# Altium PCB ControlBoard.PcbDoc (part 1 of 3) (continued)
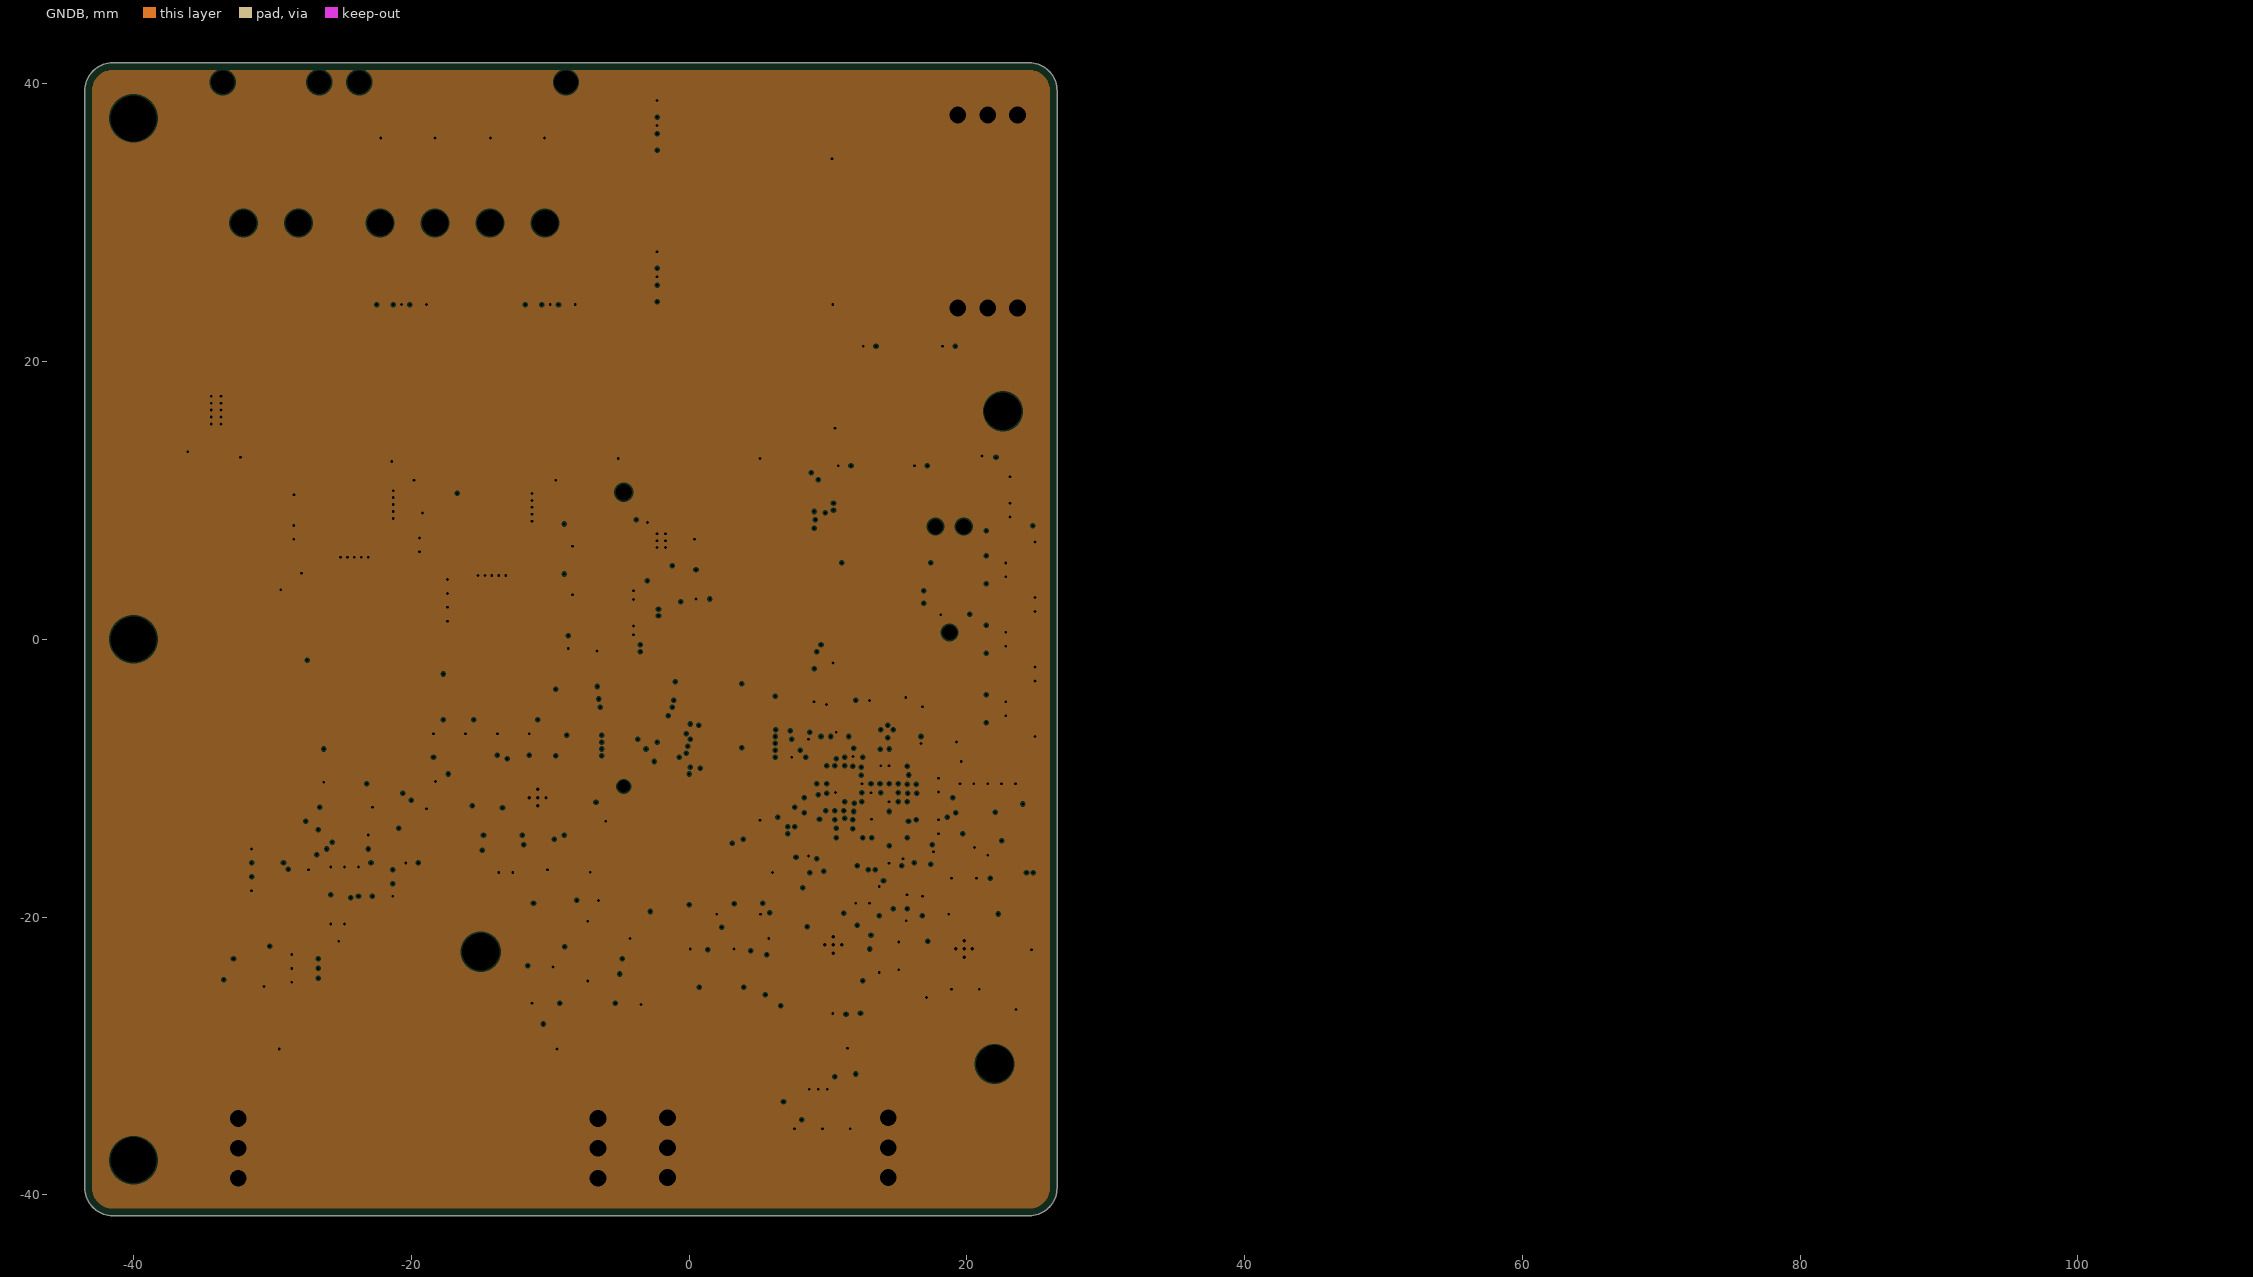
[diagram p5: GNDB, clearances drawn from the general rule]
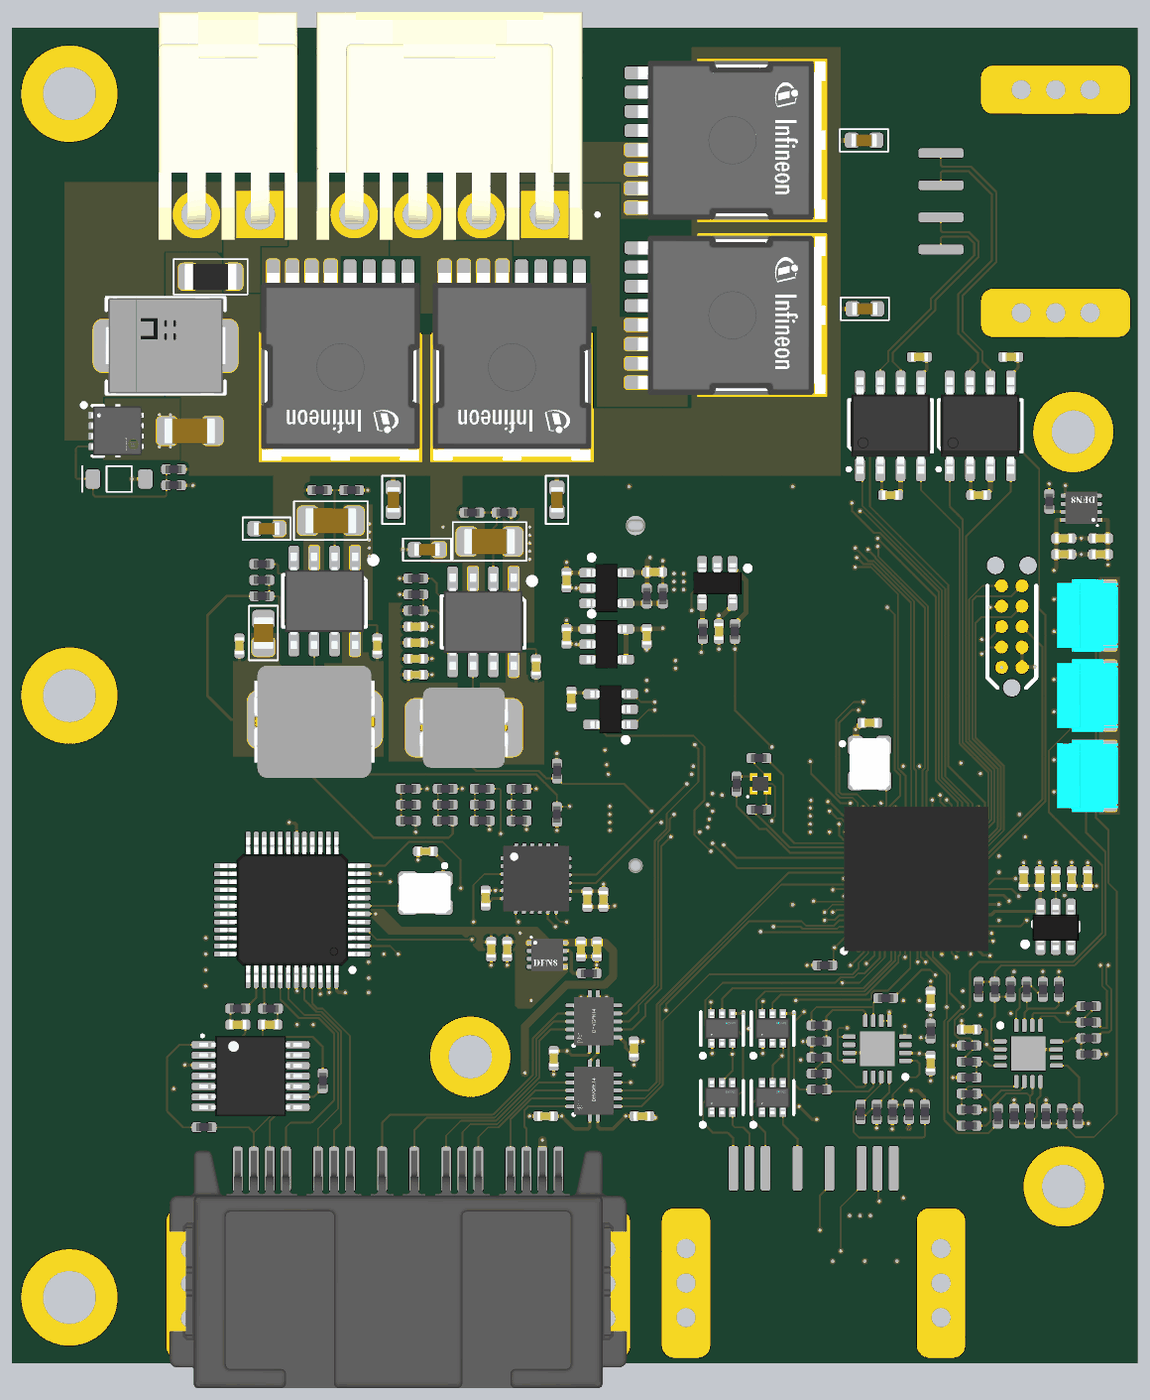
[diagram p8: 3D render of the assembled board from above, using the file's embedded part models]
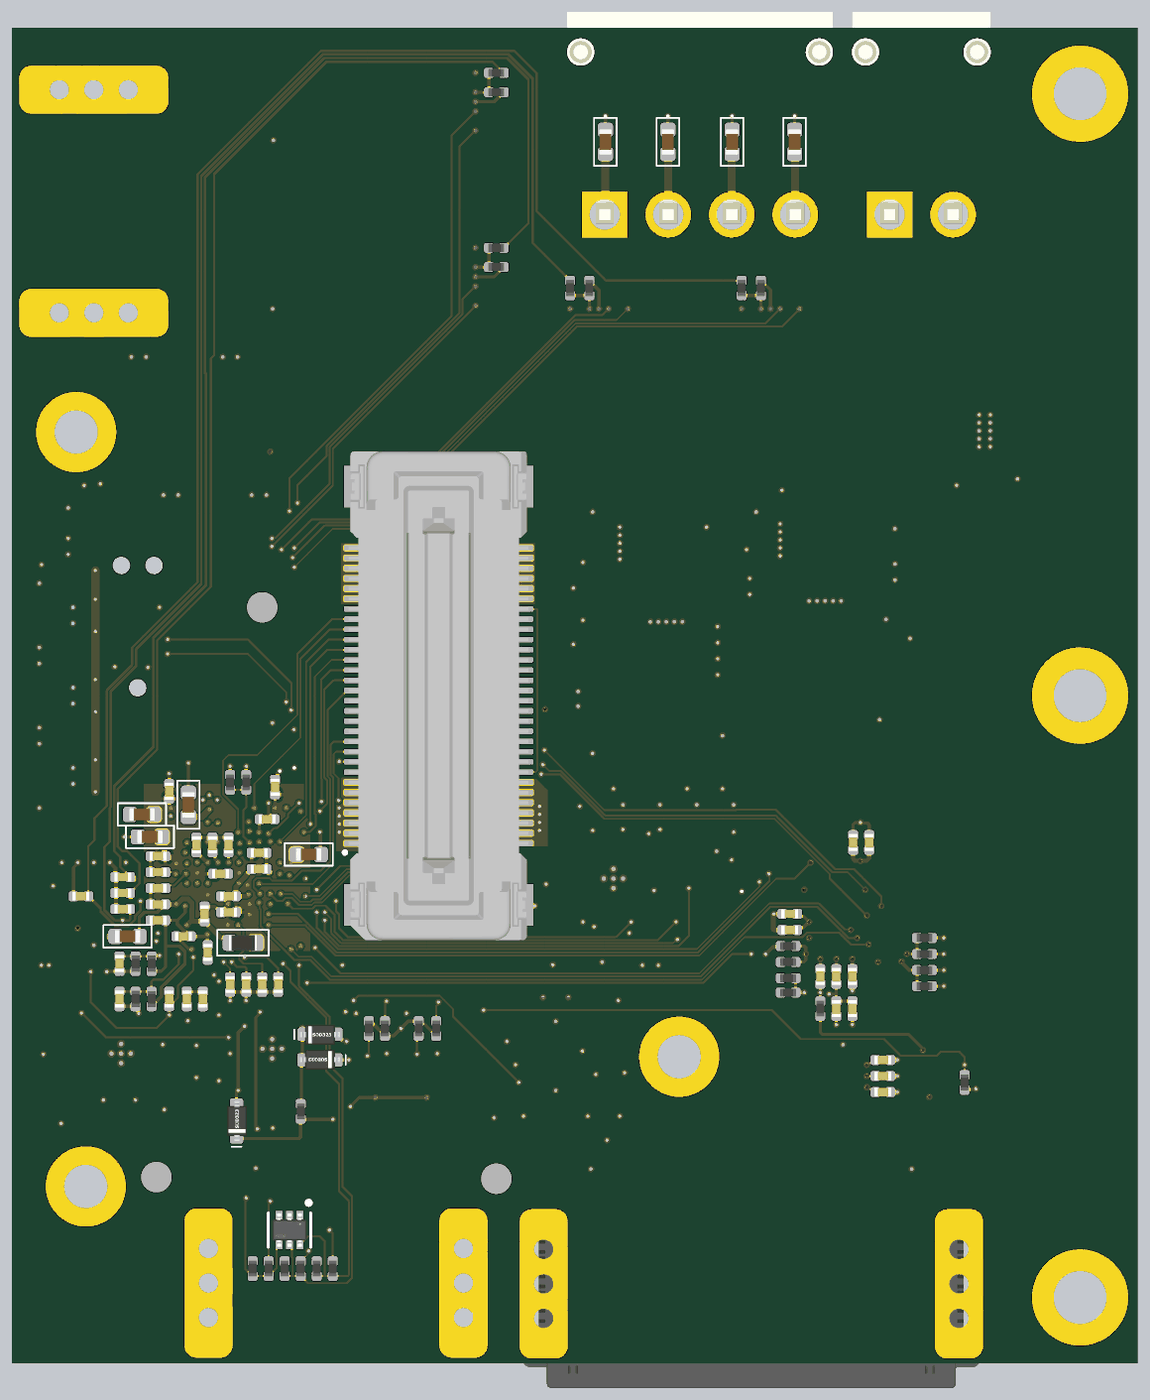
[diagram p9: 3D render of the assembled board from below, using the file's embedded part models]

## Layer stack, top to bottom
Top Solder: solder mask 0.0102, Solder Resist, Dk 3.5
Top: signal copper 0.035
Dielectric 2: prepreg 0.203, PP-006, Dk 4.1
GNDT: plane copper 0.035, net GND
Dielectric 4: core 0.25, PP-006, Dk 4.1
VDD: signal copper 0.035
Dielectric 6: prepreg 0.203, PP-006, Dk 4.1
Dielectric 1: dielectric 0.107, FR-4, Dk 4.8
Dielectric 7: prepreg 0.203, PP-006, Dk 4.1
Inn: signal copper 0.035
Dielectric 5: core 0.25, PP-006, Dk 4.1
GNDB: plane copper 0.035, net GND
Dielectric 3: prepreg 0.203, PP-006, Dk 4.1
Bot: signal copper 0.035
Bottom Solder: solder mask 0.0102, Solder Resist, Dk 3.5

## Board outline
-41.5,-41.5 cw(c-41.5,-39.5) -43.5,-39.5 -43.5,39.5 cw(c-41.5,39.5) -41.5,41.5 24.5,41.5 cw(c24.5,39.5) 26.5,39.5 26.5,-39.5 cw(c24.5,-39.5) 24.5,-41.5

## Design rules (kind name [scope] priority, off if disabled: settings)
Clearance [All] p1: gap=0.076 ignorepadtopadclearanceinfootprint=FALSE
ComponentClearance [All] p1: gap=0.1 collisioncheckmode=3 verticalgap=0.254 showdistances=FALSE
DiffPairsRouting DiffCAN [InDifferentialPairClass('CAN')] p1: maxlimit=0.208 minlimit=0.137 mostfreqgap=0.208 toplayer_mingap=0.15 toplayer_maxgap=0.15 toplayer_prefgap=0.15 toplayer_minwidth=0.125 toplayer_maxwidth=0.125 toplayer_prefwidth=0.125 bottomlayer_mingap=0.15 bottomlayer_maxgap=0.15 bottomlayer_prefgap=0.15 bottomlayer_minwidth=0.125 bottomlayer_maxwidth=0.125 bottomlayer_prefwidth=0.125 impedanceprofiledriven=TRUE impedanceprofileid={B471F699-5C87-46F9-A39C-AA0856E755EF} impedanceprofilevalue=120.000000 maxuncoupledlength=12.7
DiffPairsRouting DiffAnalog [InDifferentialPairClass('AnalogDiff')] p2: maxlimit=0.15 minlimit=0.12 mostfreqgap=0.15 toplayer_minwidth=0.12 toplayer_maxwidth=0.15 toplayer_prefwidth=0.12 midlayer2_minwidth=0.12 midlayer2_maxwidth=0.15 midlayer2_prefwidth=0.12 midlayer3_minwidth=0.12 midlayer3_maxwidth=0.15 midlayer3_prefwidth=0.12 bottomlayer_minwidth=0.12 bottomlayer_maxwidth=0.15 bottomlayer_prefwidth=0.12 maxuncoupledlength=1
Height [All] p1: minheight=0 maxheight=60 prefheight=12.7
HoleSize [All] p1: absolutevalues=TRUE maxlimit=10 minlimit=0.08 maxpercent=80.000 minpercent=20.000
HoleToHoleClearance [All] p1: gap=0.2 allowstackedmicrovias=TRUE
MatchedLengths MatchedLengths_ETH [InDifferentialPairClass('ETH_MD')] p1: tolerance=0.05 checknetsindiffpair=TRUE checkdiffpairvsdiffpair=FALSE checkxsignals=FALSE checkothers=FALSE
MatchedLengths MatchedLengths_DDR_DIFF [InDifferentialPairClass('DDR_CLK')  or InDifferentialPairClass('DDR_DQS0') or  InDifferentialPairClass('DDR_DQS1')] p2: tolerance=25.4 checknetsindiffpair=TRUE checkdiffpairvsdiffpair=FALSE checkxsignals=FALSE checkothers=FALSE usedelayunits=TRUE delaytolerance=1.000000
MatchedLengths MatchedLengths_DDR_BANK0 [InxSignalClass('DRAM_BANK0')] p3: tolerance=25.4 checknetsindiffpair=FALSE checkdiffpairvsdiffpair=TRUE checkxsignals=TRUE checkothers=TRUE usedelayunits=TRUE delaytolerance=5.000000
MatchedLengths MatchedLengths_DDR_BANK1 [InxSignalClass('DRAM_BANK1')] p4: tolerance=25.4 checknetsindiffpair=FALSE checkdiffpairvsdiffpair=TRUE checkxsignals=TRUE checkothers=TRUE usedelayunits=TRUE delaytolerance=5.000000
MatchedLengths MatchedLengths_DDR_AC [InxSignalClass('DDR_AC')] p5: tolerance=25.4 checknetsindiffpair=FALSE checkdiffpairvsdiffpair=TRUE checkxsignals=TRUE checkothers=TRUE usedelayunits=TRUE delaytolerance=5.000000
MatchedLengths MatchedLengths_RGMII_RX [InNetClass('RGMII_RX')] p6: tolerance=0.1 checknetsindiffpair=FALSE checkdiffpairvsdiffpair=TRUE checkxsignals=TRUE checkothers=TRUE
MatchedLengths MatchedLengths_RGMII_TX [InNetClass('RGMII_TX')] p7: tolerance=0.1 checknetsindiffpair=FALSE checkdiffpairvsdiffpair=TRUE checkxsignals=TRUE checkothers=TRUE
MatchedLengths MatchedLengths_SD1 [InxSignalClass('SD1')] p8: tolerance=0.1 checknetsindiffpair=FALSE checkdiffpairvsdiffpair=TRUE checkxsignals=TRUE checkothers=TRUE
MatchedLengths MatchedLengths_SD2 [InxSignalClass('SD2')] p9: tolerance=0.1 checknetsindiffpair=FALSE checkdiffpairvsdiffpair=TRUE checkxsignals=TRUE checkothers=TRUE
MinimumAnnularRing [All] p1: minimumring=0.076
MinimumSolderMaskSliver [All] p1: minsoldermaskwidth=0
PlaneClearance AntipadPlaneClearance [OnCopper] p1: clearance=0.14
PlaneClearance RegularPlaneClearance [All] p2: clearance=0.1
PlaneClearance POEPlaneClearance [InNet('POE_GND') or InNet('POE_PGND') or InNet('POE_L+')] p3: clearance=0.508
PlaneConnect Plane [All] p1: planeconnectstyle=Relief reliefexpansion=0.127 reliefentries=4 reliefconductorwidth=0.127 reliefairgap=0.076
PolygonConnect 0402_Polygons [HasFootprint('C0402')  or HasFootprint('R0402')] p1: connectstyle=Relief reliefconductorwidth=0.2 reliefentries=4 polygonreliefangle="90 Angle" airgapwidth=0.2
PolygonConnect Polygons [All] p2: connectstyle=Direct reliefconductorwidth=0.254 reliefentries=4 polygonreliefangle="90 Angle" airgapwidth=0.254
RoutingVias [All] p1: holewidth=0.3 width=0.6 viastyle="Through Hole" minholewidth=0.2 minwidth=0.4 maxholewidth=5 maxwidth=10
SilkToSilkClearance [All] p1: silktosilkclearance=0
SilkToSolderMaskClearance [IsPad] p1: minsilkscreentomaskgap=0 clearancetoexposedcopper=TRUE
SolderMaskExpansion VIA [IsVia] p1: expansion=0.102 istentingtop=TRUE
SolderMaskExpansion [All] p2: expansion=0.05 istentingtop=FALSE
SupplyNets "Schematic Supply Nets_1" [InNet('VENC')] p1: voltage=0.000
SupplyNets "Schematic Supply Nets" [InNet('VCS')] p2: voltage=0.000
SupplyNets "Schematic Supply Nets_26" [InNet('24V')] p3: voltage=0.000
SupplyNets "Schematic Supply Nets_25" [InNet('5V')] p4: voltage=0.000
SupplyNets "Schematic Supply Nets_24" [InNet('3V3')] p5: voltage=0.000
SupplyNets "Schematic Supply Nets_23" [InNet('48V')] p6: voltage=0.000
SupplyNets "Schematic Supply Nets_22" [InNet('GND_IN')] p7: voltage=0.000
SupplyNets "Schematic Supply Nets_21" [InNet('48V_IN')] p8: voltage=0.000
SupplyNets "Schematic Supply Nets_20" [InNet('1V2')] p9: voltage=0.000
SupplyNets "Schematic Supply Nets_18" [InNet('3V3REF')] p10: voltage=0.000
SupplyNets "Schematic Supply Nets_11" [InNet('GND')] p11: voltage=0.000
Width width_single50 [InNetClass('RGMII_RX') or InNetClass('RGMII_TX') or InNetClass('SD1') or InNetClass('SD2') or InNetClass('NAND')  or InNetClass('RF')] p1: maxlimit=0.092 minlimit=0.082 preferedwidth=0.092 toplayer_minwidth=0.092 midlayer2_maxwidth=0.082 midlayer2_prefwidth=0.082 bottomlayer_minwidth=0.092 impedanceprofiledriven=TRUE minimp=50.000000 maximp=50.000000 favimp=50.000000
Width [All] p2: maxlimit=10 minlimit=0.076 preferedwidth=0.25
20 further rules are at their usual default settings.

## Classes and differential pairs
differential pair class CAN: CAN_U_CAN1 CAN_U_CAN2
component class U_EEPROM: C74 U22
channel class CAN: U_CAN1 U_CAN2
component class U_Voltages: C82 C83 C84 C85 C86 R88 R89 R90 R91 R92 R93 R94 R95 R96 R97 R98 R99 R100 R101 R102 R103 R104
component class U_UserInterface: D6 R105 R106 R107
component class U_Supply: C52 C53 C54 C55 C56 C57 C58 C59 C60 C61 C62 C63 C64 C65 C66 C67 C68 C91 C92 C93 C94 C99 C100 C101 C102 C103 C104 C105 C106 C107 D2 D7 F1 L1 L2 Q1 R36 R37 R38 R39 R40 R41 R42 R43 R44 R45 R46 R47 R48 R108 R109 R110 R111 R112 TP15 TP16 TP17 TP18 TP19 TP20 TP21 TP22 TP23 TP24 TP25 TP26 U9 U10 U11 U18 U19 U20 U21
component class U_ResistiveTempSensors: C69 C70 C71 D3 D4 D5 Q2 Q3 Q4 Q5 R49 R50 R51 R52 R53 R54 R55 R56 R57 R58 R59 R60 R61 R62 R63 R64 TP11 U12
component class U_PowerBoardConnector: C72 P2 R65 R66 U13
component class U_PositionSense: C9 C10 C11 C12 C13 C14 C15 C16 C17 C18 C19 C20 C21 C22 C23 R15 R16 R17 R18 R19 R20 R21 R22 R23 R24 R25 R26 R27 R28 R29 U5 U6 X1
component class U_PhaseCurrents: C73 C75 C77 C78 R67 R68 R69 R70 R72 R73 R74 R75 R76 R77 R79 R80 R81 R82 R83 R84 R86 R87 TP12 TP13 TP14 U14
component class U_Mems: C49 C50 C51 U8
component class U_Mcu: C24 C25 C26 J1 R30 R31 R32 R33 TP1 TP2 TP3 TP4 TP5 TP6 TP7 U7 X2
component class U_McuSupply: C27 C28 C29 C30 C31 C32 C33 C34 C35 C36 C37 C38 C39 C40 C41 C42 C43 C44 C45 C46 C47 C48 FB1 R34 R35
component class U_ExternalConnectors: CAN CS_U CS_V CS_W DOUT POS PWR TH_DIN
component class U_Encoder: C87 C88 C89 C90 U16 U17
component class U_DigitalOutputs: C1 C2 C3 C4 C5 C6 C7 C8 C95 C96 C97 C98 R7 R8 R9 R10 R11 R12 R13 R14 U1 U2 U3 U4
component class U_DIgitalInputs: D1 R1 R2 R3 R4 R5 R6 TP8 TP9 TP10
component class U_CAN2: C80_U_CAN2 C81_U_CAN2 U15_U_CAN2
component class U_CAN1: C80_U_CAN1 C81_U_CAN1 U15_U_CAN1
differential pair class AnalogDiff: DCLINK
differential pair CAN_U_CAN2: +CAN_U_CAN2_P -CAN_U_CAN2_N
differential pair CAN_U_CAN1: +CAN_U_CAN1_P -CAN_U_CAN1_N
differential pair RES_SIN: +RES_SIN_P -RES_SIN_N
differential pair RES_EXC: +RES_EXC_P -RES_EXC_N
differential pair RES_COS: +RES_COS_P -RES_COS_N
differential pair DCLINK: +DCLINK_P -DCLINK_N

## Components (designator, comment, footprint, x,y, rotation, side; value= is the part's Value field where it differs from the comment)
C1 "100nF" C0603 9.6,24.1 r0 top
C2 "100nF" C0402 19.7,-11.3 r0 bottom
C3 "100nF" C0603 -10.4,34.5 r90 bottom
C4 "100nF" C0402 19.7,-12.3 r0 bottom
C5 "100nF" C0603 9.55,34.6 r0 top
C6 "100nF" C0402 19.7,-13.3 r0 bottom
C7 "100nF" C0603 -14.3,34.5 r90 bottom
C8 "100nF" C0402 22.3,-12.5 r0 bottom
C9 "100nF" C0402 -29.5,-20.5 r0 top
C10 "100nF" C0402 -27.5,-20.5 r180 top
C11 "100nF" C0402 -17.8,-9.7 r180 top
C12 "100nF" C0402 -21.9,-13.6 r180 bottom
C13 "100nF" C0402 -25.8,-17.5 r90 bottom
C14 "4.7µF" C0402 -21.9,-14.6 r180 bottom
C15 "100nF" C0402 -26.85,-9.15 r270 bottom
C16 "4.7µF" C0402 -25.85,-9.15 r270 bottom
C17 "4.7µF" C0402 -27.7,-22.7 r0 bottom
C18 "100nF" C0402 -27.7,-23.7 r180 bottom
C19 "100nF" C0402 -27.7,-24.7 r180 bottom
C20 "10nF" C0402 -24.8,-17.5 r90 bottom
C21 "4.7µF" C0402 -25.8,-19.5 r270 bottom
C22 "4.7µF" C0402 -24.8,-19.5 r270 bottom
C23 "100nF" C0402 -23.8,-17.5 r90 bottom
C24 "100nF" C0402 19.9,-16.7 r270 bottom
C25 "100nF" C0402 19.9,-18.9 r270 bottom
C26 "100nF" C0402 9.9,-1.7 r0 top
C27 "100nF" C0402 15.9,-15 r0 bottom
C28 "10uF" C0603 18,-8.8 r0 bottom
C29 "100nF" C0402 10.2,-5.7 r90 bottom
C30 "100nF" C0402 13.1,-13.5 r0 bottom
C31 "100nF" C0402 13.6,-11.1 r180 bottom
C32 "100nF" C0402 14.1,-9.3 r90 bottom
C33 "100nF" C0402 10.7,-7.7 r180 bottom
C34 "100nF" C0402 11.2,-9.8 r180 bottom
C35 "100nF" C0402 17.5,-14 r0 bottom
C36 "100nF" C0402 16.8,-5.96 r90 bottom
C37 "100nF" C0402 14.4,-16 r270 bottom
C38 "10uF" C0603 15.6,-6.8 r90 bottom
C39 "100nF" C0402 13.1,-12.5 r0 bottom
C40 "100nF" C0402 11.2,-10.8 r180 bottom
C41 "100nF" C0402 15.1,-9.3 r90 bottom
C42 "100nF" C0402 13.1,-9.3 r90 bottom
C43 "10uF" C0603 18.5,-7.4 r0 bottom
C44 "10uF" C0603 19.4,-15 r0 bottom
C45 "100nF" C0402 14.6,-13.6 r90 bottom
C46 "100nF" C0402 17.5,-13 r0 bottom
C47 "10uF" C0603 8.1,-9.9 r180 bottom
C48 "100nF" C0402 17.5,-10 r0 bottom
C49 "1µF" C0402 -6.7,-12.7 r90 top
C50 "100nF" C0402 -7.7,-12.7 r90 top
C51 "100nF" C0402 -14.05,-12.613 r90 top
C52 "4.7uF" C1206 -13.8,9.6 r0 top
C53 "100nF" C0603 -17.7,9.1 r180 top
C54 "100nF" C0402 -10.9,1.8 r90 top
C55 "100nF" C0402 -18.4,1.3 r0 top
C56 "22µF" C0402 -18.4,4.3 r0 top
C57 "22µF" C0402 -18.4,3.3 r0 top
C58 "22µF" C0402 -18.4,2.3 r0 top
C59 "4.7uF" C1206 -23.7,10.9 r0 top
C60 "100nF" C0603 -27.7,10.4 r180 top
C61 "100nF" C0402 -20.8,3.1 r90 top
C62 "100nF" C0402 -29.4,3.1 r90 top
C63 "33uF" C0805 -27.9,3.9 r90 top
C64 "4.7µF" C0402 23.5,-11.4 r90 top
C65 "100nF" C0402 22.5,-11.4 r90 top
C66 "100nF" C0402 20.5,-11.4 r90 top
C67 "4.7µF" C0402 19.5,-11.4 r90 top
C68 "100nF" C0402 21.5,-11.4 r90 top
C69 "100nF" C0402 17.5,-12 r0 bottom
C70 "100nF" C0402 17.5,-11 r0 bottom
C71 "100nF" C0402 13.7,-22.9 r270 top
C72 "100nF" C0402 0.5,4 r270 top
C73 "6.8nF" C0402 16.8,-18.9 r90 bottom
C74 "100nF" C0402 -8.7,-0.2 r270 top
C75 "6.8nF" C0402 15.7,-18.9 r90 bottom
C77 "100nF" C0402 16.1,-20.8 r180 top
C78 "6.8nF" C0402 14.7,-18.9 r90 bottom
C80_U_CAN1 "100nF" C0402 18.7,21.1 r180 top (schematic designator C80)
C80_U_CAN2 "100nF" C0402 13,21.1 r180 top (schematic designator C80)
C81_U_CAN1 "100nF" C0402 11.2,12.5 r0 top (schematic designator C81)
C81_U_CAN2 "100nF" C0402 16.7,12.5 r0 top (schematic designator C81)
C82 "6.8nF" C0402 13.7,-18.9 r90 top
C83 "6.8nF" C0402 10,-18 r270 bottom
C84 "6.8nF" C0402 12,-18 r270 bottom
C85 "6.8nF" C0402 11,-18 r270 bottom
C86 "6.8nF" C0402 13,-18 r270 bottom
C87 "100nF" C0402 -4.8,-22 r90 top
C88 "100nF" C0402 -9.8,-22.6 r90 top
C89 "100nF" C0402 -4.3,-26.2 r0 top
C90 "100nF" C0402 -10.3,-26.2 r0 top
C91 "100nF" C0402 -9,7.2 r90 top
C92 "100nF" C0402 -3.5,7.7 r180 top
C93 "100nF" C0402 -9,3.7 r90 top
C94 "100nF" C0402 -4,3.7 r90 top
C95 "100nF" C0603 -9.6,12.2 r270 top
C96 "100nF" C0603 -18.3,34.5 r90 bottom
C97 "100nF" C0603 -19.8,12.2 r270 top
C98 "100nF" C0603 -22.2,34.5 r90 bottom
C99 "22µF" C1206 -32.5,16.5 r180 top
C100 "1µF" C0402 -13.7,-15.8 r270 top
C101 "100nF" C0402 -12.7,-15.8 r90 top
C102 "100nF" C0402 -8.1,-15.8 r90 top
C103 "1µF" C0402 -7.1,-15.8 r270 top
C104 "1µF" C0402 24.3,8.8 r180 top
C105 "100nF" C0402 24.3,9.8 r0 top
C106 "100nF" C0402 22,9.8 r180 top
C107 "1µF" C0402 22,8.8 r0 top
CAN "ZE05-4P-2H" ZE05-4P-2H 21.5,30.8 r90 top locked
CS_U "DF63-4P-3.96DS" FH34SRJ-5S-0.5SH(99) 22.1,-5 r90 top
CS_V "DF63-4P-3.96DS" FH34SRJ-5S-0.5SH(99) 22.1,0 r90 top
CS_W "DF63-4P-3.96DS" FH34SRJ-5S-0.5SH(99) 22.1,5 r90 top
D1 "BZX84C3V3TS-7-F" SOT-363 9.3,-33.3 r270 bottom
D2 "BZT52C15-E3-08" SOD-123 -36.9,13.5 r0 top
D3 "BAS16HT1G" SOD323 7.4,-22.7 r0 bottom value=2pF
D4 "BAS16HT1G" SOD323 12.6,-26.5 r90 bottom value=2pF
D5 "BAS16HT1G" SOD323 7.4,-21.1 r180 bottom value=2pF
D6 "SML-LX0404SIUPGUSB" LED_SML-LX0404_LUM 3.1,-5.5 r90 top
D7 "SMCJ54CA-E3/9AT" SMCJ_UNIPOLAR -34,21.8 r0 top
DOUT "DF63-4P-3.96DS" HRS_DF63-4P-3.96DS -16.3,35.5 r0 top locked
F1 "0685H9100-01" FUSE1206 -31.2,26.1 r0 top
FB1 "FBMH1608HL121-T" FB0603 12.2,-15.4 r0 bottom
J1 "TC2050-IDC-NL" TC2050-IDC-NL 18.765,0.49 r90 top locked
L1 "15µH" ETQP4MxxxYFP -15.4,-2 r180 top
L2 "48µH" ETQP5MxxxYFM -24.7,-1.5 r180 top
P2 "MA01F060VAABR500" MA01F060VAABR500 0,0 r180 bottom locked
POS "ZE05-16DP-2H" ZE05-16DP-2H -19.5,-36.65 r0 top locked